# KiCad board ulx4m_panel.kicad_pcb (continued)
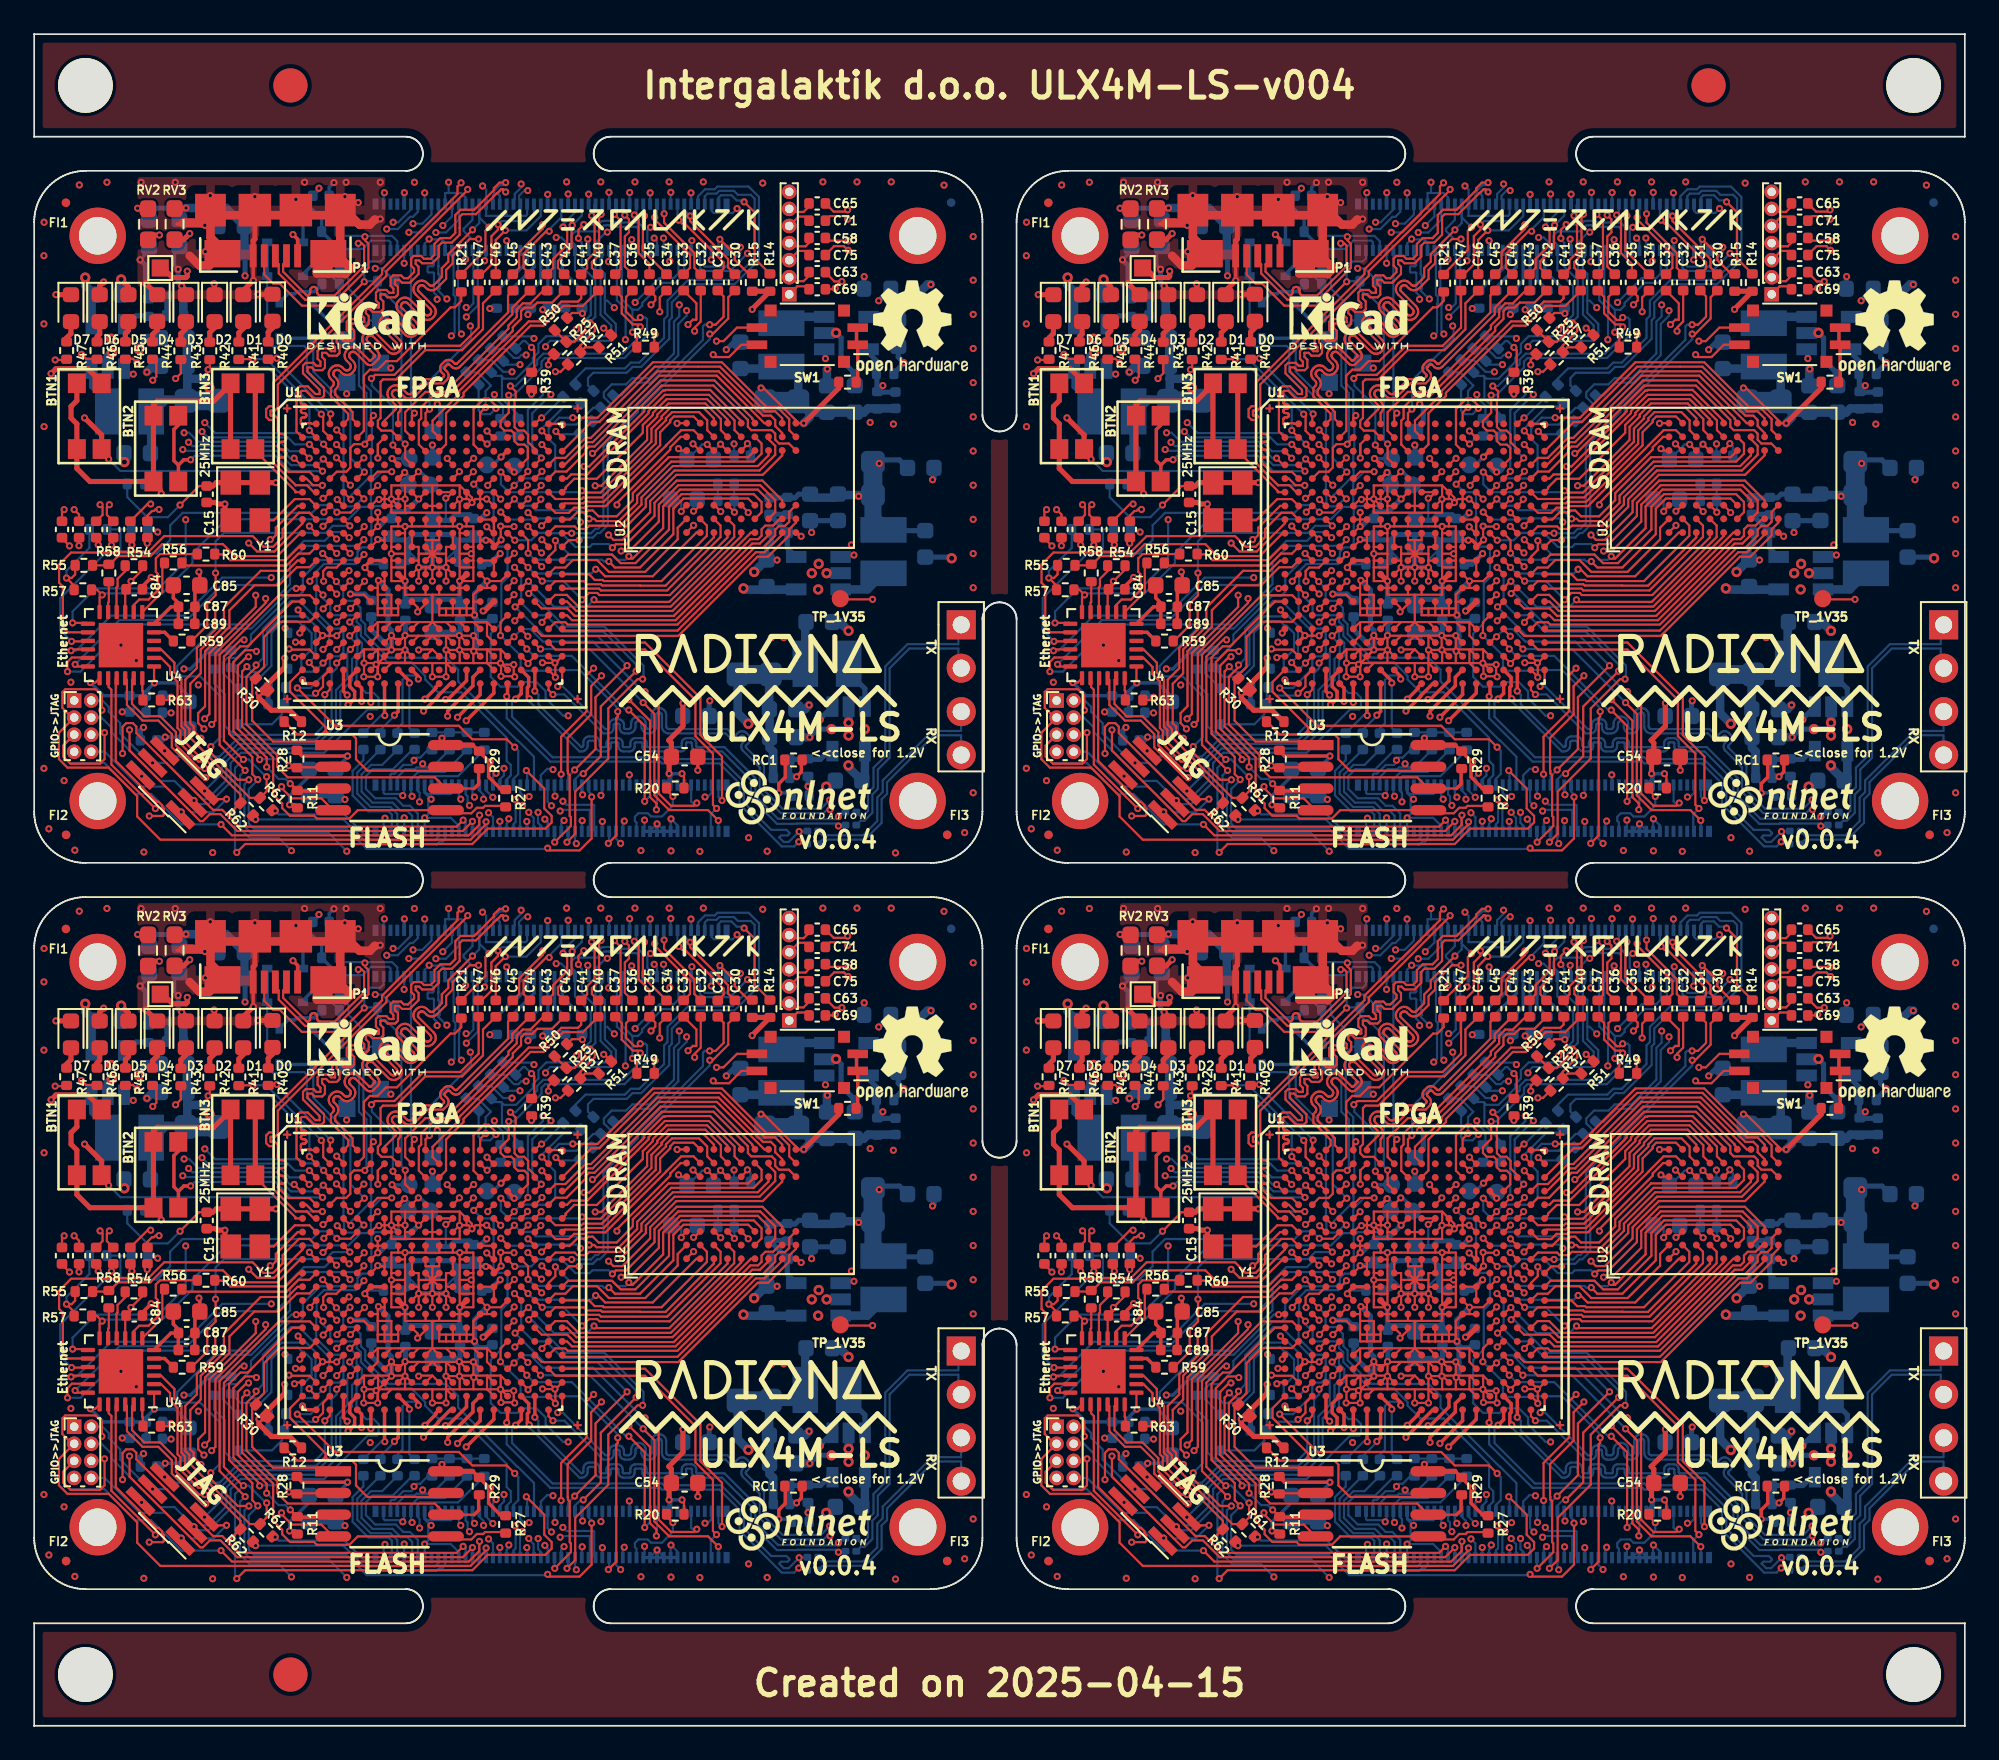
[diagram p0: board, top side]
## Routing (per net, layer and track width the routed paths; a pad name or vN(x,y) marks a point on that pad's centre or on a via; arc(x,y) is an arc through that point) (continued)
Board_2-CAM1_D1_P: length 22.3
  Top w0.127: v1(18.51,30.11) 18.12,30.5 U1#3.E4
  In2signal.Cu w0.127: v1(25.01,38.96) 25.01,37.67 24.93,37.59 24.93,37.59 24.92,37.57 24.85,37.52 24.78,37.49 24.71,37.47 24.63,37.47 24.55,37.49 24.48,37.52 24.42,37.57 24.31,37.68 24.29,37.7 24.26,37.71 24.24,37.71 24.21,37.71 24.19,37.71 24.16,37.7 24.14,37.68 24.13,37.66 24.11,37.64 24.1,37.62 24.1,37.6 24.1,37.57 24.1,37.54 24.11,37.52 24.13,37.5 24.39,37.23 24.39,37.23 24.67,36.95 24.72,36.89 24.76,36.82 24.77,36.74 24.77,36.66 24.76,36.58 24.72,36.51 24.67,36.45 24.63,36.4 24.56,36.35 24.49,36.32 24.42,36.3 24.34,36.3 24.26,36.32 24.19,36.35 24.13,36.4 23.58,36.95 23.56,36.97 23.53,36.98 23.51,36.98 23.48,36.98 23.46,36.98 23.43,36.97 23.41,36.95 23.4,36.93 23.38,36.91 23.37,36.89 23.37,36.87 23.37,36.84 23.37,36.81 23.38,36.79 23.4,36.77 23.51,36.66 23.56,36.6 23.59,36.53 23.61,36.45 23.61,36.28 24.29,35.6 24.29,34.22 23.25,33.18 21.03,33.18 19.72,31.87 19.72,31.32 19.47,31.32 19.43,31.28 18.97,31.28 18.92,31.23 18.92,30.52 v1(18.51,30.11)
  Bottom w0.127: v1(25.01,38.96) 24.87,39.1 24.87,40.61 24.91,40.65 24.91,41.25 24.81,41.35 24.81,43.8 J2#4.23
Board_2-Camera_GPIO: length 18.4
  Top w0.127: v1(39.94,11.19) 39.73,11.4 39.73,14.39 38.71,15.42 38.71,17.54 35.76,20.49 30.52,20.49 U1#3.U19
  Bottom w0.127: v1(39.94,11.19) 39.61,10.85 39.61,9.89 J1#2.97
Board_2-CLK_25MHz: length 4
  Top w0.127: Y1.3 14.02,28.06 15.26,29.29 16.11,29.29 U1#3.G2
Board_2-CM4_1.8V: length 0.4
  Bottom w0.127: J1#2.88 J1#2.90
Board_2-CM4_3.3V: length 246.7
  Top w0.127: J3.2 v1(6.29,13.08) ; v1(40.99,28.53) 40.99,28.54 U2.D3 ; 16.94,21.33 16.91,21.36 ; v3(37.92,13.22) 38.04,13.11 R20#2.2 ; v1(16.88,21.31) 16.92,21.31 16.92,21.31 ; v1(16.88,21.31) 16.88,21.33 U1#3.T2 ; v1(16.88,21.31) 16.89,21.3 17.31,21.3 ; v1(27.28,26.1) 26.91,25.73 U1#3.L15 ; R57#4.1 2.34,24.23 v1(1.89,24.68) 2.19,24.68 2.4,24.89 R55#2.1 ; v1(45.05,33.74) U2.J9 44.59,33.91 42.7,35.8 v3(42.55,35.8) ; 17.31,21.3 U1#3.T3 ; 17.31,21.3 v1(17.71,21.3) U1#3.T4 ; U1#3.L15 U1#3.M15 ; U1#3.L15 U1#3.L14 ; U2.E7 41.75,32.5 v1(41.75,32.54) ; U1#3.H14 U1#3.H15 U1#3.J15 26.87,27.3 v1(26.5,27.67) ; U1#3.P9 22.45,22.96 v3(22.45,22.7) 22.91,23.16 U1#3.P10 ; U1#3.M6 19.71,24.94 v3(19.36,25.29) ; C15#2.1 9.65,30.06 v3(8.54,28.95) ; 26.59,13.74 26.7,13.85 v1(26.7,13.9) ; U2.A9 37.65,33.74 v1(37.64,33.73) ; R54.2 6.35,25.17 v1(5.67,24.48) 5.67,24.3 C84#4.1 5.33,23.97 U4#3.9 ; U2.B3 38.64,28.59 v1(38.6,28.59) ; U1#3.F11 U1#3.F12 24.16,29.35 v3(24.1,29.35) ; v1(37.72,32.24) 37.83,32.14 U2.A7 ; v3(23.87,15.31) 23.87,15.13 U3#4.8 ; v1(39.4,32.5) 39.76,32.14 U2.C7 ; 37.23,14.22 C54#4.1
  Top w0.2: 15.41,11.25 15.25,11.4 v3(14.95,11.4) ; 26.62,13.72 26.6,13.7 26.6,13.03 27.37,12.27 27.6,12.27 ; 25.67,14.9 26.67,13.9 v1(26.7,13.9) ; v3(19.36,25.29) 19.36,25.35 U1#3.L6 U1#3.L7 ; v3(18.34,14.26) 15.69,14.26 15.38,14.56 ; U1#3.U2 16.51,20.94 v1(16.88,21.31)
  Top w0.3: v1(16.88,21.31) 16.92,21.31 16.94,21.33 ; C15#2.1 10.46,30.06 10.66,30.26 Y1.1 Y1.4 14.15,30.26 v1(14.15,30.25) ; v1(37.98,17.35) 37.98,16.01 37.15,15.18 37.3,15.03 C54#4.1 37.17,14.09 v3(37.17,13.23) ; v1(14.67,19.99) 14.67,19.47 v1(13.16,17.95) ; 13.12,17.92 v1(13.16,17.95) ; v1(13.16,17.95) 13.16,17.66 13.88,16.94 14.95,16.94 15.62,16.27 ; v1(13.16,17.95) 13.54,17.95 13.68,18.1 ; v1(9.11,44.83) 8.75,44.47 RV3#3.2 ; 25.67,14.9 U3#4.8 ; R70.1 47.1,35.79 v1(45.05,33.74)
  POWER.Cu w0.127: v3(19.36,25.29) 19.58,25.07 20.48,25.07 20.63,24.92 20.63,24.52 v3(22.45,22.7) ; v1(37.64,33.73) 37.64,36.06 37.67,36.1 ; v1(5.67,24.48) 5.56,24.38 2.19,24.38 v1(1.89,24.68)
  POWER.Cu w0.2: 14.49,25.72 15.81,25.72 15.84,25.69 ; v3(42.55,35.8) 42.25,36.1 33.38,36.1 30.38,39.1 30.02,39.1 29.77,39.35 v3(29.77,40.38) 28.76,39.37 27.05,39.37 24.96,37.28 23.33,37.28 19.97,40.64 v1(19.97,42.8) 19.97,45.36 19.26,46.07 18.09,46.07 v1(16.67,47.49) ; 13.25,25.72 12.93,26.03 12.93,26.37 ; 36.6,13.25 36.84,13.25 36.85,13.26 37.14,13.26 v3(37.17,13.23) 37.17,13.22 v3(37.92,13.22)
  POWER.Cu w0.3: v3(18.34,14.26) 16.55,14.26 13.16,17.65 v1(13.16,17.95) 12.14,16.94 9.69,16.94 8.77,17.86 v1(8.77,19.36) ; v3(18.34,14.26) 15.49,11.4 v3(14.95,11.4) 14.82,11.53 13.87,11.53 13.58,11.24 9.62,11.24 9.34,10.96 7.21,13.08 v1(6.29,13.08) 6.29,14.55 7.11,15.37 v1(7.67,15.37) ; v3(18.34,14.26) 19.29,13.31 26.11,13.31 v1(26.7,13.9) 26.91,14.11 35.74,14.11 36.6,13.25 ; 15.84,25.69 16.5,25.69 ; v1(14.67,19.99) 14.69,19.97 14.69,19.77 ; 12.93,26.37 12.85,26.29 12.85,26.03 13.11,25.77 13.25,25.77 13.3,25.71 13.54,25.71 13.71,25.55 14.49,25.55 ; 16.09,22.89 15.51,23.47 14.82,23.47 14.82,23.59 14.49,23.92 14.49,25.55 ; 19.26,46.07 16.47,43.28 11.24,43.28 9.68,44.83 v1(9.11,44.83) ; v1(16.88,21.31) 16.89,21.3 v1(17.71,21.3) ; 14.49,25.55 14.49,25.72 ; v3(42.55,35.8) 45.49,38.74 45.49,39.34 46.03,39.88 47.35,39.88 48.59,41.12 v3(48.59,42.32) ; v1(26.49,28.5) 26.5,28.49 v1(26.5,27.67)
  POWER.Cu w0.5: v1(16.88,21.31) 16.09,22.1 16.09,22.89
  Bottom w0.127: R64.2 R65#3.2 R67#3.2 ; v3(24.1,29.35) 24.1,28.05 ; R53#3.1 3.23,26.46 3.24,26.45 1.89,25.1 v1(1.89,24.68) ; RP3.2 42.55,35.26 v3(42.55,35.8) ; R67#3.2 R66#3.2 ; R67#3.2 24.2,15.64 v3(23.87,15.31) ; v1(37.72,32.24) 38.22,31.75 38.22,31.62 38.23,31.62 39.11,32.5 v1(39.4,32.5) ; R19#3.2 20.37,42.8 v1(19.97,42.8) ; C80#3.1 41.93,32.36 v1(41.75,32.54) ; v1(40.99,28.53) 40.99,29.18 C81#2.1 C79#4.1 ; v1(38.6,28.59) 38.61,28.59 38.82,28.79 C82#4.1 ; C14#3.1 19.55,25.48 v3(19.36,25.29) ; R18.2 5.45,29.41 6.62,28.24 7.83,28.24 v3(8.54,28.95) ; 13.69,18.27 R31#4.1 ; J1#2.84 J1#2.86 ; 26.52,25.48 C13#2.1
  Bottom w0.2: v3(37.92,13.22) 37.39,13.22 37.26,13.09 J1#2.86 ; J1#2.84 37.17,12.87 v3(37.17,13.23) ; R8.1 31.06,40.47 R16#4.1 29.86,40.47 v3(29.77,40.38) ; C51#2.1 18.34,14.2 v3(18.34,14.26) ; C50#4.1 16.08,13.06 14.95,11.93 v3(14.95,11.4) ; FB1#4.1 8.94,15.86 8.45,15.37 v1(7.67,15.37) ; v1(8.77,19.36) 9.15,19.36 10.21,20.42 11.53,20.42 ; C18.1 16.67,47.41 v1(16.67,47.49)
  Bottom w0.3: v3(48.59,42.32) 48.57,42.3 C52#3.1 ; C20#4.1 24.32,28.05 24.64,28.38 25.51,28.38 C25#3.1 26.15,28.16 v1(26.49,28.5) ; C50#4.1 C51#2.1 ; v1(13.16,17.95) 13.48,18.28 R31#4.1 ; C99#2.2 13.69,18.27 ; v1(7.67,15.37) 7.48,15.18 C21#3.1 ; 26.52,25.48 26.66,25.48 v1(27.28,26.1) ; 37.97,16.6 37.97,17.33 v1(37.98,17.35)
  Bottom w0.5: 45.39,34.36 RP3.1 44.73,36.43 44.11,37.05 L3.2 ; 45.39,34.36 48.56,34.36 48.81,34.6 C6.1 ; 45.39,34.36 45.39,34.07 v1(45.05,33.74) ; 43.74,36.75 43.55,36.93 C24#3.1
Board_2-DSI0_C_N: length 20.9
  Top w0.127: R39#2.1 29.28,36.87 29.28,38.01 v1(29.11,38.17)
  In2signal.Cu w0.127: v1(34.61,38.62) 29.76,38.62 29.3,38.17 v1(29.11,38.17)
  POWER.Cu w0.127: v1(35.18,40.81) 34.62,40.25 34.62,38.63 v1(34.61,38.62)
  Bottom w0.127: v1(35.18,40.81) 36.6,42.23 37.44,42.23 37.71,42.5 37.71,43.79 J2#4.87 ; 34.06,43.7 34.11,43.64 34.11,40.92 34.62,40.41 34.62,38.61 ; v1(29.11,38.17) 28.74,38.55 28.62,38.55 R38#4.2
Board_2-DSI0_C_P: length 20.5
  Top w0.127: R49#3.1 35.28,38.8 v1(35.02,39.06)
  In2signal.Cu w0.127: v1(29.26,38.7) 31.37,40.81 32.97,40.81 34.73,39.06 v1(35.02,39.06)
  Bottom w0.127: v1(29.26,38.7) 29.14,38.82 R26#2.1 ; 34.46,43.7 34.4,43.64 34.4,40.99 35.02,40.37 ; 35.02,40.37 35.35,40.37 35.58,40.6 35.59,40.6 35.59,40.77 36.77,41.95 37.54,41.95 38.06,42.46 J2#4.89 ; 35.02,40.37 v1(35.02,39.06)
Board_2-DSI0_D0_N: length 16.3
  Top w0.127: v1(31.74,39.23) 32.26,39.75 32.59,39.75 32.82,39.52 32.82,39.13 31.97,38.28 R37.2 32.25,38.18 R51#3.1
  Bottom w0.127: J2#4.75 35.35,43.94 35.35,44.33 35.38,44.36 35.38,45.09 35.25,45.23 33.84,45.23 33.77,45.3 33.67,45.3 33.64,45.33 33.5,45.33 33.48,45.31 33.34,45.31 32.99,44.96 31.67,44.96 31.44,44.73 31.44,44.38 31.66,44.17 J2#4.57 ; v1(31.74,39.23) 32.58,40.07 32.58,41.77 31.66,42.69 31.66,43.7
Board_2-DSI0_D0_P: length 14.3
  Top w0.127: v1(32.17,45.36) 31.86,45.05 v1(31.86,44.56) ; v1(32.41,39.28) 31.62,38.5 R25.1 30.47,39.18 R50#2.1
  Bottom w0.127: v1(31.86,44.56) 31.86,44.5 32.06,44.3 J2#4.59 ; v1(32.41,39.28) 32.41,39.52 32.85,39.97 32.85,42.12 32.06,42.91 32.06,43.7 ; J2#4.77 35.64,43.87 35.64,45.2 35.36,45.48 33.95,45.48 33.88,45.55 33.78,45.55 33.75,45.58 33.39,45.58 33.38,45.57 33.24,45.57 33.04,45.36 v1(32.17,45.36)
Board_2-DSI0_D1_N: length 22.3
  In2signal.Cu w0.127: v1(36.29,44.57) 36.14,44.57 35.3,45.41 34.04,45.41 v1(33.55,44.92)
  Bottom w0.127: v1(36.29,44.57) 36.46,44.4 J2#4.81 ; 27.34,36.51 27.51,36.34 28.21,36.34 29.19,37.33 29.19,37.55 29.52,37.88 29.52,38.37 29.98,38.83 33.72,38.83 33.78,38.89 33.78,39.45 33.16,40.08 33.16,42.37 32.86,42.67 32.86,43.7 ; 27.34,36.51 26.96,36.51 R36.2 ; 27.34,36.51 27.38,36.46 27.38,35.18 28.32,34.24 R48#2.1 ; v1(33.55,44.92) 33.47,44.92 32.86,44.3 J2#4.63
Board_2-DSI0_D1_P: length 28.7
  In2signal.Cu w0.127: v1(26.94,35.41) 26.94,36.05 27.64,36.74 v1(27.97,36.74) 28.68,36.74 29.94,38 v1(29.94,38.21) ; v1(36.84,44.57) 36.84,44.09 36.2,44.09 35.18,45.11 34.34,45.11 33.02,43.79 33.02,41.44 v1(33.96,40.5)
  Bottom w0.127: 33.41,40.91 33.41,40.19 34.05,39.55 34.05,38.8 33.81,38.56 30.21,38.56 29.94,38.28 v1(29.94,38.21) ; 33.41,40.91 33.55,40.91 v1(33.96,40.5) ; 33.41,40.91 33.41,42.48 33.15,42.74 33.15,43.35 33.26,43.46 33.26,43.7 ; R52#3.1 27.45,34.14 27.45,34.75 26.94,35.26 v1(26.94,35.41) ; R24.1 26.77,37.43 27.45,36.74 v1(27.97,36.74) ; v1(36.84,44.57) 36.86,44.55 J2#4.83
Board_2-DSI1_D2_N: length 21.5
  In2signal.Cu w0.127: v1(41.76,43.68) 41.95,43.49 41.95,41.93 40.89,40.87 37.97,40.87 v1(37.76,40.66)
  Bottom w0.127: R34#3.2 33.11,33.85 33.73,34.47 33.73,34.87 33.35,35.26 33.35,35.54 33.81,36.01 34.65,36.01 35.01,36.37 36,36.37 37.45,37.82 37.45,39.68 37.76,39.99 v1(37.76,40.66) ; J2#4.93 38.86,43.54 38.98,43.41 38.98,42.83 39.16,42.64 40.73,42.64 v1(41.76,43.68)
Board_2-DSI1_D2_P: length 19.1
  In2signal.Cu w0.127: v1(38.19,40.32) 38.48,40.61 40.99,40.61 42.2,41.82 42.2,43.95 41.91,44.24 41.55,44.24 v1(41.34,44.03)
  Bottom w0.127: R22#2.1 34.37,35.36 35.12,36.11 36.1,36.11 37.71,37.71 37.71,39.54 38.19,40.03 v1(38.19,40.32) ; v1(41.34,44.03) 41.34,43.74 40.5,42.9 39.27,42.9 39.23,42.93 39.23,43.82 J2#4.95
Board_2-DSI1_D3_N: length 23.1
  Bottom w0.127: R35#2.2 32.42,35.95 32.42,36.38 32.73,36.69 34.69,36.69 35.03,37.03 35.53,37.03 37.18,38.67 37.18,39.76 37.33,39.91 37.33,40.8 38.39,41.87 41,41.87 42.43,43.3 42.43,46.98 41.82,47.58 40,47.58 39.84,47.43 39.27,47.43 38.86,47.01 J2#4.94
Board_2-DSI1_D3_P: length 22.1
  Bottom w0.127: R23#3.1 31.69,36.35 32.28,36.94 34.59,36.94 34.93,37.28 35.43,37.28 36.87,38.73 36.87,39.82 37.07,40.02 37.07,40.91 38.28,42.12 40.89,42.12 42.18,43.4 42.18,46.87 41.95,47.1 41.2,47.1 40.97,47.33 40.1,47.33 39.94,47.17 39.42,47.17 39.26,47.01 J2#4.96
Board_2-ETH_0N: length 30.3
  Top w0.127: U4#3.20 4.36,18.78 4.36,18.3 4.52,18.14 4.52,13.75 v1(7.09,11.18)
  In2signal.Cu w0.127: v1(22.12,11.9) 22.12,11.61 21.83,11.31 15.46,11.31 14.73,10.59 13.85,10.59 13.24,11.2 9.73,11.2 9.12,10.59 8.43,10.59 7.84,11.18 v1(7.09,11.18)
  Bottom w0.127: R65#3.1 24.05,13.33 22.49,13.33 22.06,12.9 J1#2.10 22.06,11.97 v1(22.12,11.9)
Board_2-ETH_0P: length 33.2
  Top w0.127: U4#3.21 4.77,18.75 4.77,13.97 7.17,11.58 7.29,11.58 7.49,11.38 7.49,11.26 7.59,11.16 7.59,10.81 7.52,10.75 v1(6.74,10.75)
  In2signal.Cu w0.127: v1(6.74,10.75) 6.77,10.78 7.88,10.78 8.32,10.33 9.23,10.33 9.84,10.95 13.13,10.95 13.74,10.33 14.83,10.33 15.56,11.06 22.04,11.06 v1(22.56,11.58)
  Bottom w0.127: v1(22.56,11.58) 22.56,12.11 22.46,12.21 J1#2.12 22.46,12.94 22.59,13.08 24.81,13.08 R64.1
Board_2-ETH_1N: length 27.2
  Top w0.127: v1(10.04,12.99) 9.84,12.99 8.06,14.76 8.06,15.54 7.27,16.33 6.34,16.33 5.43,17.24 5.43,18.71 U4#3.22
  In2signal.Cu w0.127: v1(22.74,13.8) 22.66,13.8 21.26,12.41 16,12.41 15.4,11.81 13.79,11.81 13.4,12.2 11.21,12.2 10.42,12.99 v1(10.04,12.99)
  Bottom w0.127: R67#3.1 23.28,13.58 23.24,13.58 ; J1#2.6 21.26,13.01 21.73,13.48 22.28,13.48 22.38,13.58 23.24,13.58 ; 23.24,13.58 22.96,13.58 v1(22.74,13.8)
Board_2-ETH_1P: length 25.4
  Top w0.127: U4#3.23 5.73,18.71 5.73,17.3 6.45,16.59 7.37,16.59 8.3,15.66 8.3,14.88 9.65,13.53 v1(9.98,13.53)
  In2signal.Cu w0.127: v1(9.98,13.53) 10.28,13.53 11.35,12.46 13.68,12.46 14.07,12.06 15.25,12.06 15.85,12.66 21.18,12.66 22.24,13.72 v1(22.24,14.01)
  Bottom w0.127: v1(22.24,14.01) 22.39,14.17 22.6,14.17 23.05,14.62 R66#3.1 ; J1#2.4 20.86,13.16 20.92,13.23 21.1,13.23 21.61,13.73 22.08,13.73 22.33,13.99
Board_2-ETH_2N: length 8.2
  Bottom w0.127: J1#2.9 22.13,9.92 22.13,10.76 21.85,11.04 21.47,11.04 20.98,11.53 19.8,11.53 19.17,12.17 19.17,13.18 19.72,13.73 20.37,13.73 C73.2
Board_2-ETH_2P: length 8.6
  Bottom w0.127: 22.46,10 22.46,10.89 22,11.35 21.61,11.35 21.17,11.78 19.97,11.78 19.42,12.33 19.42,13.08 19.82,13.48 20.99,13.48 22.15,14.64
Board_2-ETH_3N: length 6.8
  Bottom w0.127: 21.26,10 21.26,10.87 20.85,11.27 19.7,11.27 18.91,12.06 18.91,13.29 20.26,14.64
Board_2-ETH_3P: length 6.7
  Bottom w0.127: J1#2.3 20.94,9.93 20.94,10.83 20.75,11.02 19.57,11.02 18.64,11.95 18.64,13.39 19.27,14.02 C62#4.1
Board_2-ETH_MDC: length 24.1
  Top w0.127: U4#3.13 3.09,22.05 v1(2.25,22.05) ; v1(19.32,27.69) 18.93,27.3 U1#3.J5
  In2signal.Cu w0.127: 17.1,27.28 16,27.28 15.19,28.09 v1(8.87,28.09) ; v1(19.32,27.69) 18.88,28.13 17.4,28.13 17.32,28.05 17.32,27.51 17.08,27.28
  Bottom w0.127: v1(2.25,22.05) 2.25,22.72 3.6,24.07 7.28,24.07 8.87,25.66 v1(8.87,28.09)
Board_2-ETH_MDIO: length 24.2
  Top w0.127: U1#3.E6 20.11,30.9 v1(20.93,30.9) ; R57#4.2 3.68,23.99 v1(3.98,23.69) 3.83,23.54 U4#3.12
  Bottom w0.127: v1(3.98,23.69) 4.07,23.78 7.5,23.78 9.27,25.55 9.27,26.13 11.26,28.12 18.4,28.12 19.12,28.84 19.57,28.84 19.71,28.98 19.71,30.27 20.34,30.9 v1(20.93,30.9)
Board_2-ETH_nLED1: length 12.6
  Top w0.127: R62#3.1 12.96,10.62 v1(12.96,10.54)
  Bottom w0.127: J1#2.19 24.06,9.39 23.92,9.25 23.75,9.25 23.57,9.07 19.57,9.07 18.1,10.54 v1(12.96,10.54)
Board_2-ETH_nLED2: length 10.9
  Top w0.127: R61#3.1 13.98,11.05 v1(14.11,11.05)
  Bottom w0.127: J1#2.17 23.66,9.52 23.46,9.33 19.68,9.33 18.17,10.84 14.32,10.84 v1(14.11,11.05)
Board_2-ETH_~{RESET}: length 27.1
  Top w0.127: U4#3.15 3.11,20.97 v1(2.19,20.97) ; v1(17.72,28.53) 17.74,28.51 18.52,28.51 U1#3.G5
  Bottom w0.127: 5.02,26.12 5.05,26.15 5.05,27.52 ; 5.02,26.12 7.18,26.12 7.96,26.9 7.96,27.76 8.69,28.49 16.26,28.49 16.71,28.94 17.31,28.94 v1(17.72,28.53) ; 5.02,26.12 4.15,26.12 1.53,23.5 1.53,21.63 v1(2.19,20.97) ; 5.05,27.52 C83#3.2 ; 5.05,27.52 R53#3.2
Board_2-FPDI_CLK+: length 19.7
  Top w0.127: U1#3.J20 31.46,27.3 v1(31.46,27.29) ; v1(39.54,39.5) 39.89,39.5 40.36,39.97 40.36,41.16 C31.1
  Bottom w0.127: v1(39.54,39.5) 39.25,39.5 39.15,39.4 39.15,38.62 35.35,34.82 35.35,34.38 33.32,32.36 33.32,29.55 33.33,29.54 33.33,27.87 33.01,27.56 32.86,27.56 32.59,27.29 31.67,27.29 31.56,27.41
Board_2-FPDI_CLK-: length 20
  Top w0.127: v1(31.9,26.89) 31.31,26.89 U1#3.K20 ; C30.1 40.63,41.11 40.63,39.86 39.72,38.95 v1(39.55,38.95)
  Bottom w0.127: 31.97,27.04 32.7,27.04 32.97,27.3 33.12,27.3 33.58,27.77 33.58,29.65 33.58,29.65 33.58,32.25 35.6,34.28 35.6,34.71 39.55,38.66 v1(39.55,38.95)
Board_2-FPDI_D0+: length 21.3
  Top w0.127: U1#3.F17 28.88,30.06 v1(28.88,30.11) ; C33#3.1 38.77,40.75 38.77,39.79 38.56,39.79 v1(38.28,39.51)
  In2signal.Cu w0.127: 33.4,35.13 33.46,35.2 33.48,35.22 33.49,35.25 33.5,35.27 33.5,35.3 33.49,35.33 33.48,35.35 33.46,35.38 33.36,35.48 33.31,35.54 33.27,35.62 33.26,35.69 33.26,35.77 33.27,35.85 33.31,35.93 33.36,35.99 33.46,36.09 33.52,36.14 33.59,36.17 33.67,36.19 33.75,36.19 33.83,36.17 33.9,36.14 33.96,36.09 34.07,35.98 34.09,35.96 34.12,35.95 34.14,35.94 34.17,35.94 34.2,35.95 34.22,35.96 34.25,35.98 35.43,37.16 36.14,37.16 38.28,39.3 v1(38.28,39.51) ; 33.4,35.14 33.16,34.9 32.7,34.9 32.65,34.9 32.6,34.92 32.56,34.94 32.53,34.98 32.5,35.02 32.49,35.07 32.48,35.12 32.48,35.27 32.47,35.37 32.44,35.47 32.38,35.56 32.31,35.63 32.22,35.68 32.13,35.71 32.03,35.73 31.97,35.73 31.87,35.71 31.78,35.68 31.69,35.63 31.62,35.56 31.56,35.47 31.53,35.37 31.52,35.27 31.52,35.12 31.51,35.07 31.5,35.02 31.47,34.98 31.44,34.94 31.4,34.92 31.35,34.9 31.3,34.9 29.45,34.9 28.5,33.95 28.5,30.48 v1(28.88,30.11)
Board_2-FPDI_D0-: length 22
  Top w0.127: v1(38.66,39.12) 38.66,39.33 39.02,39.69 C32#4.1 ; U1#3.G18 29.66,29.25 v1(29.66,29.29)
  In2signal.Cu w0.127: v1(29.66,29.29) 29.28,29.67 29.28,30.29 29.3,30.31 29.3,31.1 28.76,31.64 28.76,33.85 29.55,34.64 31.33,34.64 31.43,34.65 31.52,34.68 31.61,34.73 31.68,34.81 31.74,34.89 31.77,34.99 31.78,35.09 31.78,35.25 31.79,35.29 31.8,35.34 31.83,35.38 31.86,35.42 31.9,35.44 31.95,35.46 32,35.47 32.05,35.46 32.1,35.44 32.14,35.42 32.17,35.38 32.2,35.34 32.21,35.29 32.22,35.25 32.22,35.09 32.23,34.99 32.26,34.89 32.32,34.81 32.39,34.73 32.48,34.68 32.57,34.65 32.67,34.64 33.26,34.64 33.47,34.85 33.5,34.88 33.66,35.04 33.71,35.1 33.74,35.17 33.76,35.25 33.76,35.33 33.74,35.41 33.71,35.48 33.66,35.54 33.55,35.65 33.54,35.67 33.52,35.69 33.52,35.72 33.52,35.75 33.52,35.78 33.54,35.8 33.55,35.82 33.62,35.89 33.64,35.91 33.67,35.92 33.7,35.93 33.72,35.93 33.75,35.92 33.78,35.91 33.8,35.89 33.9,35.79 33.97,35.74 34.04,35.7 34.12,35.68 34.2,35.68 34.27,35.7 34.35,35.74 34.41,35.79 35.53,36.91 36.24,36.91 38.46,39.12 v1(38.66,39.12)
Board_2-FPDI_D1+: length 17
  Top w0.127: C35#3.1 36.36,41.16 36.36,40.92 v1(36.11,40.67) ; U1#3.D18 29.69,31.67 v1(29.69,31.7)
  In2signal.Cu w0.127: v1(30.25,35.41) 30.48,35.64 31.25,35.64 32.57,36.96 34.38,36.96 35.61,38.19 36.58,38.19 37.13,38.73 37.13,40.32 36.78,40.67 v1(36.11,40.67)
  Bottom w0.127: v1(30.25,35.41) 29.16,34.32 29.16,32.23 v1(29.69,31.7)
Board_2-FPDI_D1-: length 17
  Top w0.127: v1(36.62,40.26) 36.62,41.1 C34#2.1 ; v1(28.9,30.92) 28.9,30.89 U1#3.E17
  In2signal.Cu w0.127: v1(36.62,40.26) 36.83,40.05 36.83,38.8 36.48,38.44 35.51,38.44 34.28,37.21 32.47,37.21 31.15,35.9 29.99,35.9 v1(29.78,35.69)
  Bottom w0.127: v1(29.78,35.69) 29.78,35.39 28.9,34.51 v1(28.9,30.92)
Board_2-FPDI_D2+: length 17.1
  Top w0.127: v1(27.88,35.91) 28.19,35.6 28.19,35.12 28.12,35.05 28.12,33.51 28.32,33.31 28.68,33.31 28.92,33.06 28.92,32.62 29.31,32.23 U1#3.C18 ; C37.1 34.39,41.12 34.39,40.16 35.04,39.52 35.33,39.52 v1(35.48,39.37)
  Bottom w0.127: v1(27.88,35.91) 28.17,35.91 29.45,37.18 29.45,37.45 29.8,37.8 34.44,37.8 35.48,38.85 v1(35.48,39.37)
Board_2-FPDI_D2-: length 19.2
  Top w0.127: U1#3.D17 28.9,31.69 28.9,32.28 28.7,32.49 28.32,32.49 28.11,32.7 28.11,33.13 27.93,33.31 27.52,33.31 27.3,33.53 27.3,33.86 27.78,34.35 v1(27.78,35.37) ; C36.1 34.65,41.12 34.65,40.27 35.14,39.77 35.33,39.77 v1(35.48,39.92)
  Bottom w0.127: v1(27.78,35.37) 28.08,35.37 29.7,36.99 29.7,37.34 29.91,37.55 34.55,37.55 35.88,38.88 35.88,39.82 35.78,39.92 v1(35.48,39.92)
Board_2-GLOBAL_EN: length 18.5
  Top w0.127: v1(29.64,20.52) 29.31,20.85 U1#3.U18 ; v1(40.05,10.49) 39.44,11.09 37.17,11.09 36.31,11.96 36.31,16.73 v1(35.65,17.38)
  Bottom w0.127: v1(29.64,20.52) 32.51,20.52 v1(35.65,17.38) ; v1(40.05,10.49) 40.06,10.48 J1#2.99
Board_2-GN0: length 14.4
  Top w0.127: C40#4.1 32.12,40.59 30.97,40.59 29.81,39.44 29.05,39.44 25.13,35.52 25.13,35.34 24.11,34.32 24.11,32.5 U1#3.C11
Board_2-GN3: length 14.4
  Top w0.127: U1#3.C10 22.52,32.49 22.52,33.88 22.66,34.02 22.66,34.66 23.3,35.31 24.19,35.31 28.02,39.14 28.02,39.35 28.5,39.84 28.5,40.29 28.71,40.5 29.16,40.5 29.46,40.79 30.32,40.79 C42#4.1
Board_2-GN4: length 14
  Top w0.127: U1#3.A8 21.31,34.33 21.33,34.35 21.39,34.43 21.44,34.52 21.46,34.62 21.46,34.72 21.44,34.82 21.39,34.91 21.33,34.98 21.01,35.31 20.98,35.35 20.96,35.39 20.94,35.44 20.94,35.49 20.96,35.54 20.98,35.58 21.01,35.62 21.05,35.65 21.09,35.67 21.14,35.69 21.19,35.69 21.24,35.67 21.28,35.65 21.32,35.62 21.64,35.3 21.72,35.24 21.81,35.19 21.91,35.17 22.01,35.17 22.11,35.19 22.2,35.24 22.28,35.3 23.04,36.06 23.95,36.06 24.16,36.28 24.21,36.34 24.24,36.41 24.26,36.48 24.26,36.56 24.24,36.63 24.21,36.7 24.16,36.76 24.06,36.87 24.04,36.89 24.03,36.91 24.02,36.93 24.02,36.96 24.03,36.98 24.04,37 24.06,37.02 24.18,37.15 24.2,37.16 24.22,37.17 24.24,37.18 24.27,37.18 24.29,37.17 24.32,37.16 24.34,37.15 24.44,37.04 24.5,36.99 24.57,36.96 24.64,36.94 24.72,36.94 24.8,36.96 24.87,36.99 24.93,37.04 27.99,40.11 27.99,40.5 28.99,41.5 C44#3.1
Board_2-GN5: length 14
  Top w0.127: U1#3.B8 20.91,33.3 20.33,33.3 20.12,33.51 20.12,33.88 20.28,34.04 20.28,36.16 20.42,36.3 21.18,36.3 22.89,38.01 25.05,38.01 26.27,39.23 26.27,40.75 C46#2.1
Board_2-GND: length 339.2
  Top w0.127: U3#4.4 16.81,11.78 15.09,11.78 14.48,12.39 v3(14.48,12.47) ; U1#3.L10 23.31,26.1 ; 23.31,26.1 U1#3.K10 ; 23.31,26.1 U1#3.K11 ; 23.31,26.1 U1#3.L11 ; 23.31,26.1 24.11,26.1 ; 23.31,26.1 22.51,26.1 ; 23.31,26.1 23.31,26.9 ; 23.31,26.1 v1(23.31,25.3) ; 24.11,26.1 24.11,25.7 ; 24.11,26.1 24.11,26.5 U1#3.K12 U1#3.J12 ; v1(24.11,24.5) v1(24.11,25.3) ; v1(24.11,25.3) U1#3.M12 ; v1(24.11,25.3) 24.11,25.7 ; v1(24.11,25.3) 23.71,25.3 ; 20.91,19.7 20.09,19.7 v1(20.02,19.62) ; 20.91,19.7 21.71,19.7 ; 20.91,19.7 U1#3.W7 ; U1#3.J10 22.91,26.9 23.31,26.9 ; U1#3.V13 24.93,20.48 24.91,20.48 ; 21.71,19.7 23.31,19.7 ; 21.71,19.7 21.71,20.48 ; 23.31,19.7 24.11,19.7 ; 23.31,19.7 v1(23.31,18.9) v1(24.11,18.9) 24.11,19.7 ; 23.71,25.3 v1(23.31,25.3) ; 23.71,25.3 U1#3.M11 ; v1(23.31,25.3) 22.91,25.3 ; v1(23.31,25.3) v1(23.31,24.5) ; v1(19.31,19.7) 19.95,19.7 v1(20.02,19.62) ; v1(19.31,19.7) 19.31,20.5 ; v1(19.31,19.7) 19.31,18.91 v1(19.29,18.9) v1(20.11,18.9) ; 26.11,26.9 U1#3.K14 ; 26.11,26.9 26.43,26.9 v1(26.44,26.89) 26.52,26.89 ; 26.11,26.9 U1#3.J14 ; v1(21.71,21.32) 21.73,21.3 22.51,21.3 ; v1(21.71,21.32) 21.71,21.31 21.71,20.48 ; v1(21.71,21.32) 21.5,21.11 21.12,21.11 v1(20.91,21.32) ; v1(21.71,21.32) 21.71,21.3 U1#3.U8 ; 26.53,20.5 27.31,20.5 ; 26.53,20.5 26.51,20.48 ; 26.53,20.5 25.84,20.5 v1(25.73,20.39) ; v1(25.73,20.39) 25.62,20.5 24.93,20.5 ; v1(25.73,20.39) 25.82,20.39 U1#3.V14 ; v1(25.73,20.39) 25.71,20.41 v1(25.71,21.3) ; v1(25.73,20.39) 25.71,20.37 25.71,19.7 ; U1#3.G8 v1(20.91,29.3) ; v1(20.91,29.3) 20.91,30.1 21.71,30.1 ; v1(20.91,29.3) 20.91,28.5 21.71,28.5 ; v1(20.91,29.3) 21.31,29.3 ; v1(20.91,29.3) 20.21,29.3 v1(20.19,29.27) 20.09,29.27 U1#3.G6 ; 21.31,29.3 v1(21.71,29.3) ; 21.31,29.3 U1#3.F8 ; v1(21.71,29.3) 21.71,30.1 ; v1(21.71,29.3) 21.71,28.9 ; 24.91,22.9 24.91,22.5 ; 24.91,22.9 24.51,22.9 ; 24.91,22.9 25.31,22.9 ; 24.91,22.5 25.31,22.5 ; 24.91,22.5 24.51,22.5 ; v1(8.02,17.69) 7.86,17.54 R63.2 ; 24.91,30.1 24.91,29.3 v1(24.9,29.29) ; 24.91,30.1 25.63,29.38 v1(25.63,29.09) ; 24.91,30.1 23.31,30.1 ; U1#3.N6 20.11,24.1 ; 20.11,24.1 20.11,24.5 ; 20.11,24.1 20.11,23.7 ; 22.51,26.1 22.51,26.5 U1#3.K9 U1#3.J9 ; 22.51,26.1 22.51,25.7 ; v1(27.3,19.69) 27.31,19.69 U1#3.W16 ; v1(27.3,19.69) 27.29,19.7 26.51,19.7 ; v1(27.3,19.69) 27.33,19.66 v1(27.33,18.92) 28.1,18.92 v1(28.13,18.9) 28.07,18.95 v1(28.07,19.61) 27.38,19.61 v1(27.3,19.69) ; v1(27.3,19.69) 27.31,19.7 27.31,20.5 ; 24.91,19.7 25.71,19.7 ; 24.91,19.7 24.91,20.48 ; 24.91,19.7 24.11,19.7 ; 25.71,19.7 26.51,19.7 ; 20.11,24.5 20.51,24.5 ; 20.11,24.5 20.15,24.54 v1(20.15,24.54) ; v1(24.9,29.29) 24.91,29.3 25.31,29.3 ; v1(24.9,29.29) 24.91,29.28 24.91,28.5 23.31,28.5 ; v1(24.9,29.29) 24.9,29.29 U1#3.G12 ; U1#3.V16 27.31,20.5 ; 22.51,21.3 23.31,21.3 ; 22.51,21.3 U1#3.U9 ; 23.31,21.3 U1#3.U11 ; 23.31,21.3 U1#3.U10 ; 23.31,21.3 24.11,21.3 ; U1#3.F7 U1#3.G7 ; v1(20.91,20.47) 20.91,20.47 v1(20.91,21.32) ; v1(20.91,20.47) 20.88,20.5 20.13,20.5 ; v1(20.91,20.47) 20.11,19.66 v1(20.11,18.9) ; v1(20.91,20.47) 20.94,20.5 21.73,20.5 21.71,20.48 ; v1(20.91,20.47) 20.88,20.47 U1#3.V7 ; 24.93,20.5 24.88,20.54 v1(24.88,21.31) ; 24.93,20.5 24.93,20.5 v1(24.9,20.47) v1(24.11,20.47) ; 24.93,20.5 24.91,20.48 ; v1(20.91,21.32) 20.91,21.3 U1#3.U7 ; 25.71,23.28 25.72,23.3 U1#3.P14 ; 25.71,23.28 25.71,23.7 U1#3.N14 26.51,24.1 ; 25.71,23.28 25.71,22.9 ; 20.12,32.51 v1(20.12,31.7) 20.12,32.51 ; 20.12,32.51 U1#3.B7 ; 24.11,25.7 U1#3.L12 ; U1#3.U12 24.15,21.26 24.11,21.26 ; 20.51,24.5 U1#3.N7 ; 20.51,24.5 U1#3.M7 ; 20.13,20.5 20.13,19.73 v1(20.02,19.62) ; 20.13,20.5 20.11,20.5 ; U1#3.C19 v1(29.72,32.49) ; R51#3.2 33.37,39.3 v1(33.34,39.3) ; 21.71,30.1 23.31,30.1 ; 24.51,22.9 24.51,22.5 ; 24.51,22.9 24.11,22.9 ; 24.51,22.9 U1#3.P12 ; 24.51,22.5 24.11,22.5 ; U1#3.W15 26.51,19.7 ; 26.51,19.7 26.51,20.48 ; v1(22.51,25.3) 22.91,25.3 ; v1(22.51,25.3) 22.51,25.7 ; v1(22.51,25.3) v1(22.51,24.5) ; v1(22.51,25.3) U1#3.M9 ; 22.91,25.3 U1#3.M10 ; 20.51,26.9 U1#3.J7 ; 20.51,26.9 U1#3.K7 ; 20.51,26.9 20.15,26.9 v1(20.11,26.93) 20.11,26.9 U1#3.K6 ; 28.11,27.71 v1(28.09,27.69) ; v1(28.09,27.69) 28.11,27.69 28.13,27.71 ; v1(28.09,27.69) 27.33,27.69 v1(27.31,27.71) ; U1#3.M16 27.31,24.5 v1(26.51,24.5) ; v1(44.9,27.12) 44.68,27.34 U2.J1 ; 26.51,24.1 U1#3.N15 ; 26.51,24.1 v1(26.51,24.5) ; U1#3.G14 26.11,29.28 26.09,29.3 ; 20.91,22.9 20.91,23.7 20.11,23.7 ; 20.91,22.9 20.91,22.5 ; 20.91,22.9 21.31,22.9 ; 20.91,22.9 20.51,22.9 ; 24.11,22.5 23.71,22.5 23.71,22.9 ; 24.11,22.5 24.11,22.9 ; U1#3.G17 28.91,29.3 v1(28.91,29.31) ; v1(30.49,19.71) 30.51,19.68 v1(30.51,18.87) 30.51,18.9 U1#3.W19 ; v1(30.49,19.71) 30.49,19.72 U1#3.V19 ; v1(30.49,19.71) 29.76,19.71 v1(29.75,19.72) ; 23.31,26.9 23.71,26.9 U1#3.J11 ; v1(20.02,19.62) 20.02,19.6 U1#3.W6 ; v1(20.02,19.62) 20.11,19.53 v1(20.11,18.9) ; 24.11,21.26 24.13,21.28 24.11,21.3 ; 24.11,21.26 v1(24.11,20.47) ; 26.09,29.3 v1(26.49,29.3) 26.51,29.3 U1#3.G15 ; 26.09,29.3 26.11,29.32 U1#3.F14 ; 26.09,29.3 25.84,29.3 v1(25.63,29.09) ; 27.34,27.71 27.34,27.71 v1(27.31,27.71) ; 24.11,21.3 24.87,21.3 v1(24.88,21.31) ; v1(25.63,29.09) 25.42,29.3 25.31,29.3 ; v1(25.63,29.09) 25.44,28.9 U1#3.G13 ; 26.51,20.48 26.53,20.48 U1#3.V15 ; 22.51,25.7 U1#3.L9 ; U2.D7 40.55,32.14 v1(40.18,32.51) ; 24.11,19.7 v1(24.11,20.47) ; 24.11,19.7 U1#3.W12 ; v1(27.31,27.71) 27.31,26.94 v1(27.34,26.91) 27.32,26.91 ; v1(24.88,21.31) 24.9,21.3 v1(25.71,21.3) ; v1(24.88,21.31) 24.89,21.31 U1#3.U13 ; v1(41.8,28.5) 41.8,28.53 U2.E3 ; v1(26.52,32.52) 26.49,32.52 U1#3.B14 ; 20.11,23.7 20.11,22.9 ; U1#3.P13 25.31,22.9 ; 25.31,22.9 25.71,22.9 ; 25.31,22.9 25.31,22.5 ; v1(38.57,32.53) 38.96,32.14 U2.B7 ; 20.11,22.9 20.11,22.5 20.51,22.5 ; 20.11,22.9 20.51,22.9 ; v1(32.09,40.16) 32.07,40.19 31.48,40.19 R50#2.2 ; v1(24.11,20.47) 24.14,20.47 U1#3.V12 ; v1(37.88,28.57) 37.88,28.63 U2.A3 ; U1#3.H19 30.07,28.1 v1(29.71,27.73) ; 24.11,22.9 23.71,22.9 ; 25.31,22.5 25.77,22.5 v1(25.78,22.51) 25.71,22.58 25.71,22.9 ; 20.91,22.5 20.51,22.5 ; 20.91,22.5 21.31,22.5 21.31,22.9 ; U1#3.R19 29.73,22.12 v1(29.73,22.08) ; U1#3.V8 21.68,20.47 v1(21.71,20.47) 21.74,20.47 U1#3.V9 ; 19.31,20.5 20.11,20.5 ; 19.31,20.5 U1#3.V5 ; 20.51,22.5 20.51,22.9 ; U1#3.P11 23.71,22.9 ; R39#2.2 29.12,35.44 v1(29.11,35.43) ; v1(16.11,27.71) 16.11,27.7 U1#3.J2 ; 23.31,30.1 23.31,28.5 ; 21.31,22.9 U1#3.P8 ; U1#3.M2 16.14,24.53 v1(16.14,24.48) ; v1(8.61,10.99) 8.56,10.94 J3.1 8.56,10.92 ; 20.11,20.5 U1#3.V6 ; 20.51,22.9 U1#3.P7 ; U1#3.G11 U1#3.G10 ; 23.31,28.5 21.71,28.5 ; 21.71,28.5 21.71,28.9 ; U1#3.G4 v1(17.74,29.27) ; U2.C3 39.82,28.94 v1(40.19,28.57) ; U1#3.R4 v1(17.71,22.1) ; v1(26.51,24.5) U1#3.M14 ; 25.31,29.3 U1#3.F13 ; v1(25.71,21.3) 25.71,21.3 U1#3.U14 ; U1#3.D4 v1(17.69,31.71) ; v1(36.35,38.94) 36.3,38.89 R49#3.2 ; U1#3.U4 v1(17.71,20.5) ; U1#3.G9 21.71,28.9 ; U1#3.V20 30.51,19.69 ; v1(38.6,27.76) 38.19,27.35 U2.A1